# KiCad board 4servoboard-4x4.kicad_pcb (continued)
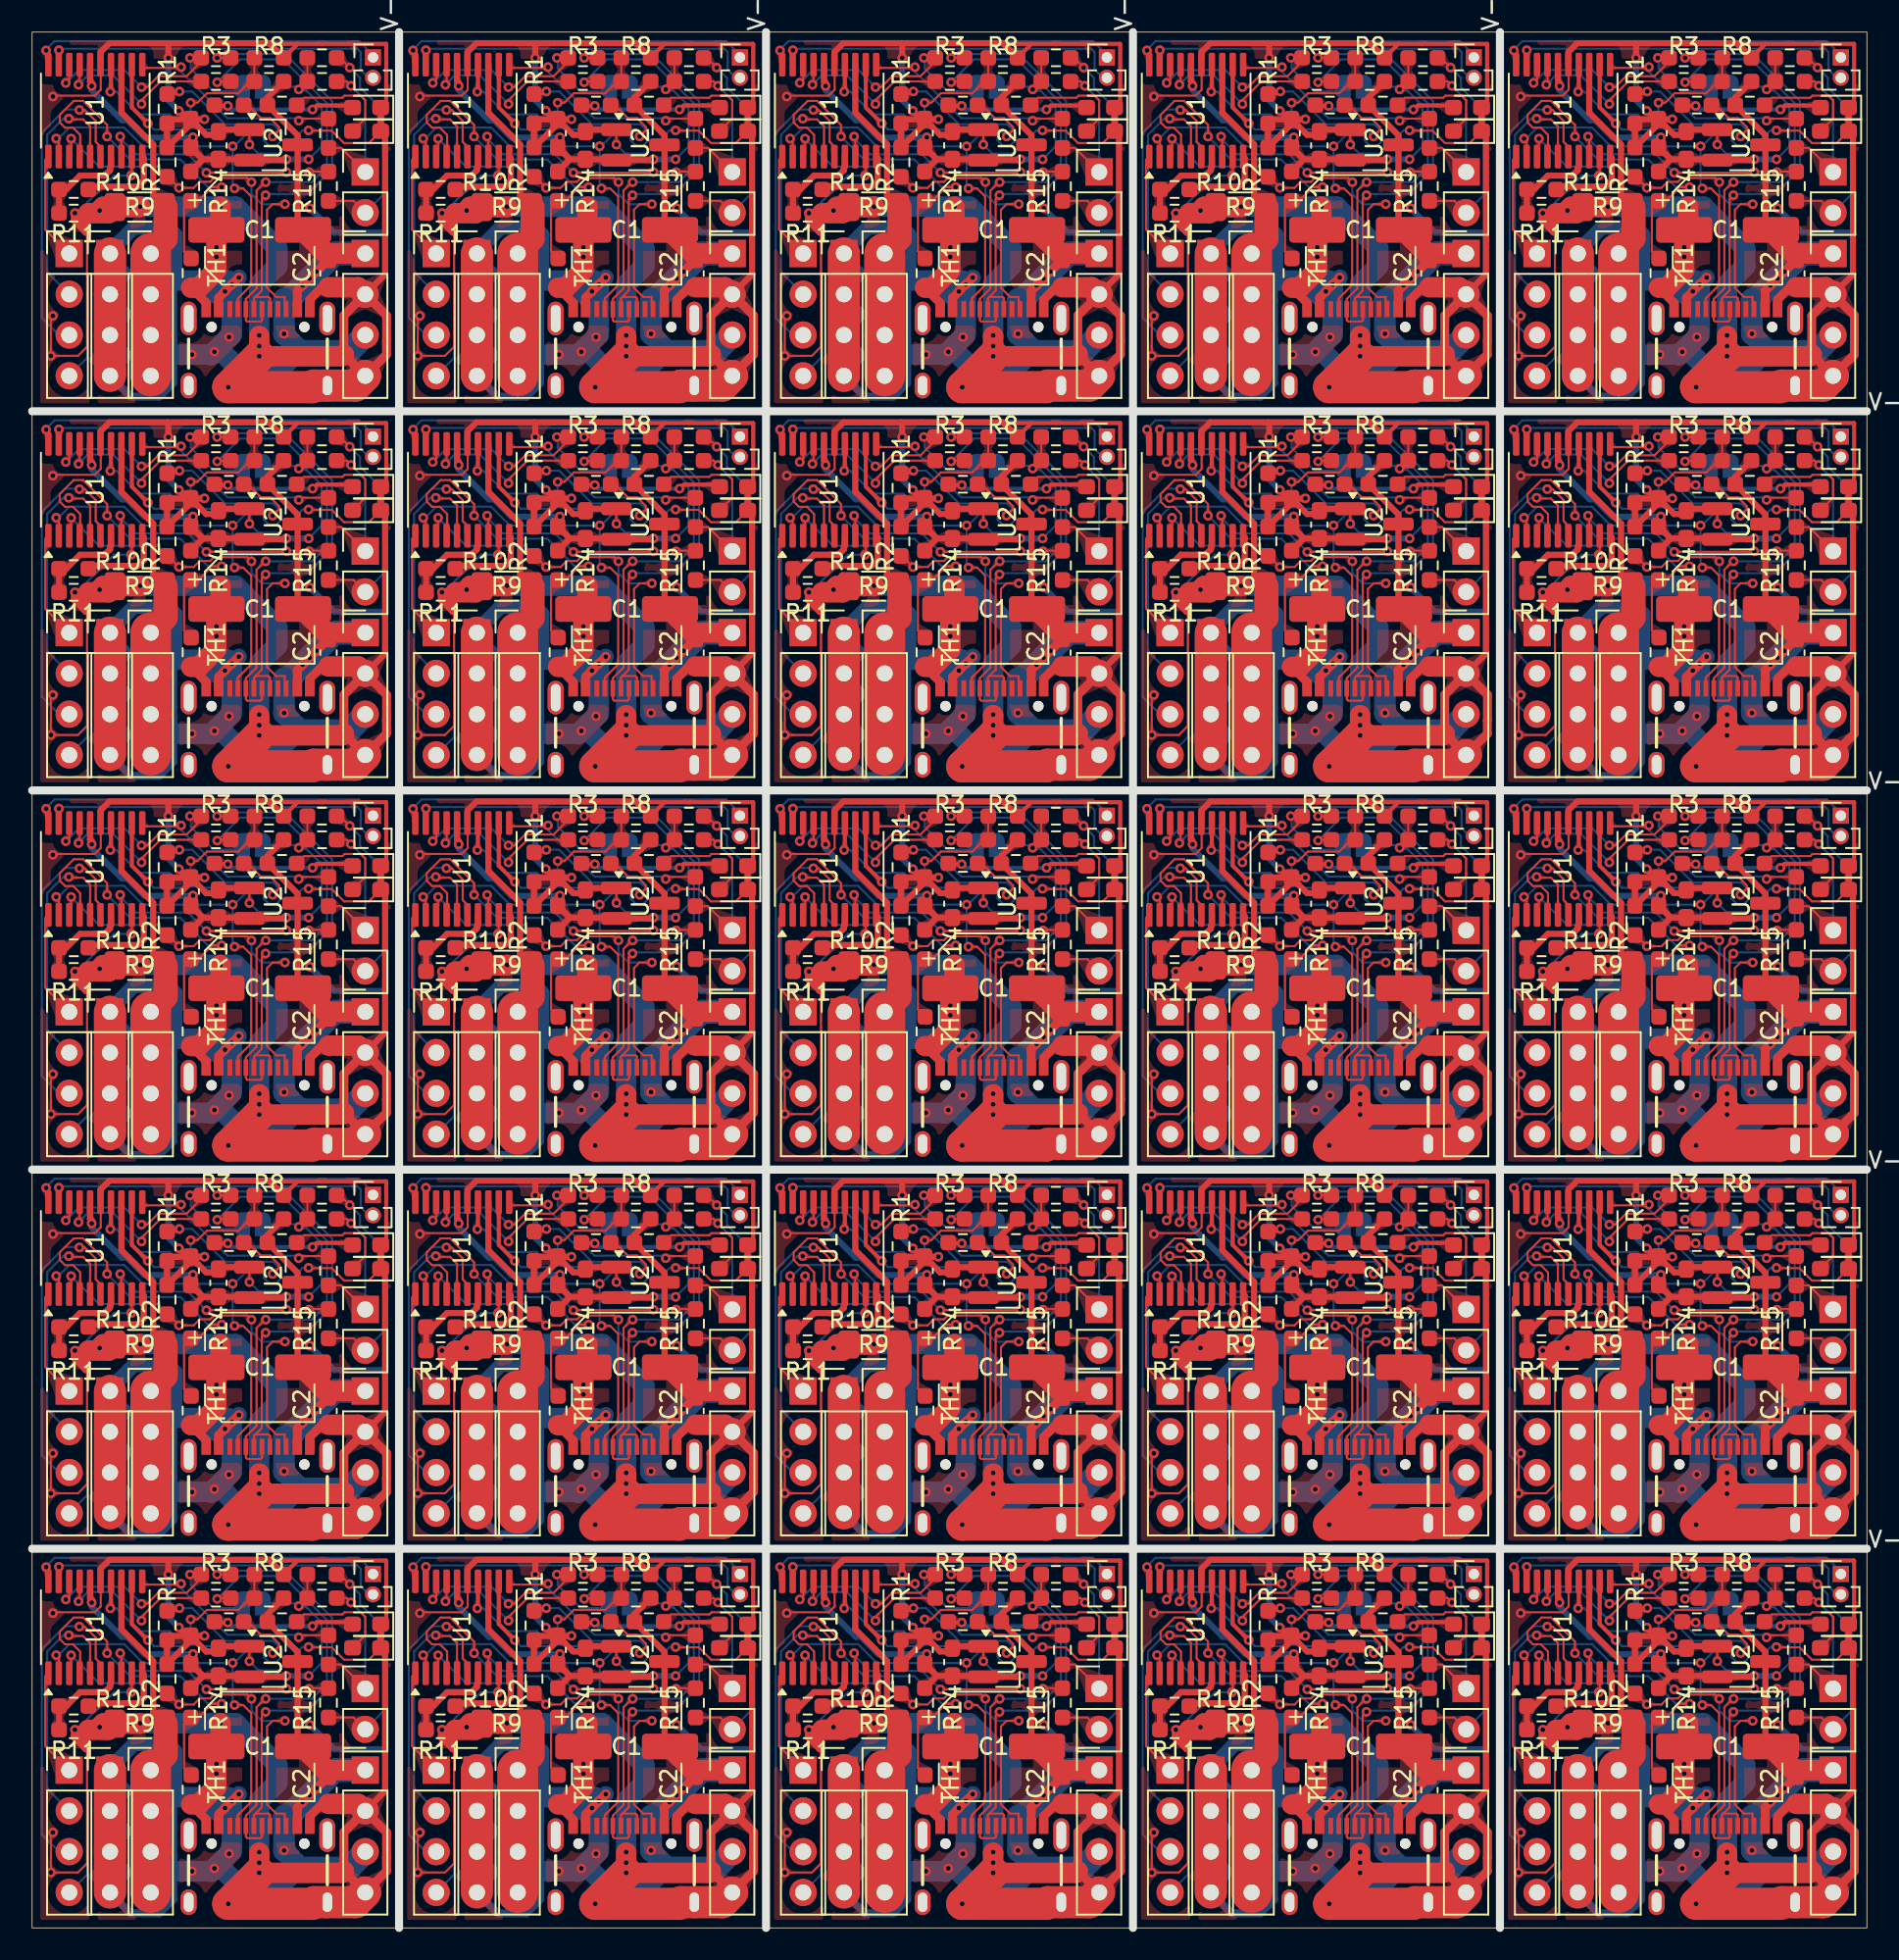
[diagram p0: board, top side]
## Routing (per net, layer and track width the routed paths; a pad name or vN(x,y) marks a point on that pad's centre or on a via; arc(x,y) is an arc through that point) (continued)
  Bottom w1.27: 34.4,98.38 34.48,98.38 35.54,97.33 35.54,97.31 36.4,96.45 36.42,96.45 36.75,96.11 37.31,96.11 39.46,98.27 39.46,98.38 38.61,99.24 ; 12.45,6.43 12.45,4.8 v1(12.27,4.62) v1(11.35,3.71) 11.15,3.51 11.13,3.51 11.1,3.53 v1(9.96,3.53) 8.83,3.53 8.8,3.51 ; 12.45,6.43 10.73,8.14 ; 12.45,6.43 v1(12.45,7.9) 12.2,8.14 10.73,8.14 ; 102.98,3.89 103.06,3.89 104.12,2.84 104.12,2.82 104.98,1.96 105,1.96 105.33,1.63 105.89,1.63 108.04,3.78 108.04,3.89 107.19,4.75 ; 61.47,30.57 61.47,30.57 ; 35.31,6.43 v1(35.31,7.9) 35.06,8.14 33.59,8.14 ; 35.31,6.43 33.59,8.14 ; 35.31,6.43 35.31,4.8 v1(35.13,4.62) v1(34.21,3.71) 34.01,3.51 33.99,3.51 33.96,3.53 v1(32.82,3.53) 31.69,3.53 31.66,3.51 ; 103.89,100.91 v1(103.89,102.39) 103.64,102.63 102.17,102.63 ; 103.89,100.91 103.89,99.29 v1(103.71,99.11) v1(102.79,98.2) 102.59,97.99 102.57,97.99 102.54,98.02 v1(101.4,98.02) 100.27,98.02 100.24,97.99 ; 103.89,100.91 102.17,102.63 ; 35.31,77.29 33.59,79.01 ; 35.31,77.29 v1(35.31,78.77) 35.06,79.01 33.59,79.01 ; 35.31,77.29 35.31,75.67 v1(35.13,75.49) v1(34.21,74.57) 34.01,74.37 33.99,74.37 33.96,74.4 v1(32.82,74.4) 31.69,74.4 31.66,74.37 ; 33.59,79.01 31.78,79.01 ; 79.31,31.77 80.78,31.77 v1(81.03,31.52) 81.03,30.05 ; 79.31,31.77 77.5,31.77 ; 79.31,31.77 81.03,30.05 ; 33.59,8.14 31.78,8.14 ; 80.12,98.38 80.2,98.38 81.26,97.33 81.26,97.31 82.12,96.45 82.14,96.45 82.47,96.11 83.03,96.11 85.18,98.27 85.18,98.38 84.33,99.24 ; 103.89,53.67 103.89,52.04 v1(103.71,51.87) v1(102.79,50.95) 102.59,50.75 102.57,50.75 102.54,50.77 v1(101.4,50.77) 100.27,50.77 100.24,50.75 ; 103.89,53.67 v1(103.89,55.14) 103.64,55.39 102.17,55.39 ; 103.89,53.67 102.17,55.39 ; 81.03,6.43 81.03,4.8 v1(80.85,4.62) v1(79.93,3.71) 79.73,3.51 79.71,3.51 79.68,3.53 v1(78.54,3.53) 77.41,3.53 77.38,3.51 ; 81.03,6.43 79.31,8.14 ; 81.03,6.43 v1(81.03,7.9) 80.78,8.14 79.31,8.14 ; 81.03,77.29 81.03,75.67 v1(80.85,75.49) v1(79.93,74.57) 79.73,74.37 79.71,74.37 79.68,74.4 v1(78.54,74.4) 77.41,74.4 77.38,74.37 ; 81.03,77.29 v1(81.03,78.77) 80.78,79.01 79.31,79.01 ; 81.03,77.29 79.31,79.01 ; 57.26,3.89 57.34,3.89 58.4,2.84 58.4,2.82 59.26,1.96 59.28,1.96 59.61,1.63 60.17,1.63 62.32,3.78 62.32,3.89 61.47,4.75 ; 10.73,8.14 8.92,8.14 ; 38.61,52 39.46,51.14 39.46,51.02 37.31,48.87 36.75,48.87 36.42,49.2 36.4,49.2 35.54,50.06 35.54,50.09 34.48,51.14 34.4,51.14 ; 103.89,77.29 102.17,79.01 ; 103.89,77.29 v1(103.89,78.77) 103.64,79.01 102.17,79.01 ; 103.89,77.29 103.89,75.67 v1(103.71,75.49) v1(102.79,74.57) 102.59,74.37 102.57,74.37 102.54,74.4 v1(101.4,74.4) 100.27,74.4 100.24,74.37 ; 102.17,79.01 100.36,79.01 ; 8.8,74.37 8.83,74.4 v1(9.96,74.4) 11.1,74.4 11.13,74.37 11.15,74.37 v1(11.35,74.57) v1(12.27,75.49) 12.45,75.67 12.45,77.29 ; 11.54,3.89 11.62,3.89 12.68,2.84 12.68,2.82 13.54,1.96 13.56,1.96 13.89,1.63 14.45,1.63 16.6,3.78 16.6,3.89 15.75,4.75 ; 79.31,79.01 77.5,79.01 ; 102.17,55.39 100.36,55.39 ; 84.33,4.75 85.18,3.89 85.18,3.78 83.03,1.63 82.47,1.63 82.14,1.96 82.12,1.96 81.26,2.82 81.26,2.84 80.2,3.89 80.12,3.89 ; 8.8,50.75 8.83,50.77 v1(9.96,50.77) 11.1,50.77 11.13,50.75 11.15,50.75 v1(11.35,50.95) v1(12.27,51.87) 12.45,52.04 12.45,53.67 ; 10.73,31.77 12.2,31.77 v1(12.45,31.52) 12.45,30.05 ; 10.73,31.77 8.92,31.77 ; 10.73,31.77 12.45,30.05 ; 81.03,30.05 81.03,28.42 v1(80.85,28.24) v1(79.93,27.33) 79.73,27.13 79.71,27.13 79.68,27.15 v1(78.54,27.15) 77.41,27.15 77.38,27.13 ; 56.45,55.39 54.64,55.39 ; 56.45,55.39 58.17,53.67 ; 56.45,55.39 57.92,55.39 v1(58.17,55.14) 58.17,53.67 ; 79.31,102.63 80.78,102.63 v1(81.03,102.39) 81.03,100.91 ; 79.31,102.63 77.5,102.63 ; 79.31,102.63 81.03,100.91 ; 100.24,3.51 100.27,3.53 v1(101.4,3.53) 102.54,3.53 102.57,3.51 102.59,3.51 v1(102.79,3.71) v1(103.71,4.62) 103.89,4.8 103.89,6.43 ; 15.75,101.44 15.75,101.43 ; 61.47,28.37 62.32,27.52 62.32,27.4 60.17,25.25 59.61,25.25 59.28,25.58 59.26,25.58 58.4,26.44 58.4,26.46 57.34,27.52 57.26,27.52 ; 58.17,6.43 56.45,8.14 ; 58.17,6.43 v1(58.17,7.9) 57.92,8.14 56.45,8.14 ; 58.17,6.43 58.17,4.8 v1(57.99,4.62) v1(57.07,3.71) 56.87,3.51 56.85,3.51 56.82,3.53 v1(55.68,3.53) 54.55,3.53 54.52,3.51 ; 56.45,8.14 54.64,8.14 ; 12.45,77.29 v1(12.45,78.77) 12.2,79.01 10.73,79.01 ; 12.45,77.29 10.73,79.01 ; 77.38,97.99 77.41,98.02 v1(78.54,98.02) 79.68,98.02 79.71,97.99 79.73,97.99 v1(79.93,98.2) v1(80.85,99.11) 81.03,99.29 81.03,100.91 ; 58.17,100.91 58.17,99.29 v1(57.99,99.11) v1(57.07,98.2) 56.87,97.99 56.85,97.99 56.82,98.02 v1(55.68,98.02) 54.55,98.02 54.52,97.99 ; 58.17,100.91 v1(58.17,102.39) 57.92,102.63 56.45,102.63 ; 58.17,100.91 56.45,102.63 ; 35.31,53.67 33.59,55.39 ; 35.31,53.67 35.31,52.04 v1(35.13,51.87) v1(34.21,50.95) 34.01,50.75 33.99,50.75 33.96,50.77 v1(32.82,50.77) 31.69,50.77 31.66,50.75 ; 35.31,53.67 v1(35.31,55.14) 35.06,55.39 33.59,55.39 ; 33.59,55.39 31.78,55.39 ; 58.17,30.05 56.45,31.77 ; 58.17,30.05 v1(58.17,31.52) 57.92,31.77 56.45,31.77 ; 58.17,30.05 58.17,28.42 v1(57.99,28.24) v1(57.07,27.33) 56.87,27.13 56.85,27.13 56.82,27.15 v1(55.68,27.15) 54.55,27.15 54.52,27.13 ; 56.45,31.77 54.64,31.77 ; 84.33,6.95 84.33,6.95 ; 80.12,51.14 80.2,51.14 81.26,50.09 81.26,50.06 82.12,49.2 82.14,49.2 82.47,48.87 83.03,48.87 85.18,51.02 85.18,51.14 84.33,52 ; 56.45,102.63 54.64,102.63 ; 34.4,27.52 34.48,27.52 35.54,26.46 35.54,26.44 36.4,25.58 36.42,25.58 36.75,25.25 37.31,25.25 39.46,27.4 39.46,27.52 38.61,28.37 ; 107.19,77.81 107.19,77.81 ; 102.17,102.63 100.36,102.63 ; 103.89,6.43 102.17,8.14 ; 103.89,6.43 v1(103.89,7.9) 103.64,8.14 102.17,8.14 ; 102.17,8.14 100.36,8.14 ; 56.45,79.01 54.64,79.01 ; 56.45,79.01 57.92,79.01 v1(58.17,78.77) 58.17,77.29 ; 56.45,79.01 58.17,77.29 ; 102.98,51.14 103.06,51.14 104.12,50.09 104.12,50.06 104.98,49.2 105,49.2 105.33,48.87 105.89,48.87 108.04,51.02 108.04,51.14 107.19,52 ; 57.26,98.38 57.34,98.38 58.4,97.33 58.4,97.31 59.26,96.45 59.28,96.45 59.61,96.11 60.17,96.11 62.32,98.27 62.32,98.38 61.47,99.24 ; 107.19,99.24 108.04,98.38 108.04,98.27 105.89,96.11 105.33,96.11 105,96.45 104.98,96.45 104.12,97.31 104.12,97.33 103.06,98.38 102.98,98.38 ; 10.73,102.63 12.2,102.63 v1(12.45,102.39) 12.45,100.91 ; 10.73,102.63 12.45,100.91 ; 10.73,102.63 8.92,102.63 ; 79.31,55.39 80.78,55.39 v1(81.03,55.14) 81.03,53.67 ; 79.31,55.39 81.03,53.67 ; 79.31,55.39 77.5,55.39 ; 79.31,8.14 77.5,8.14 ; 34.4,3.89 34.48,3.89 35.54,2.84 35.54,2.82 36.4,1.96 36.42,1.96 36.75,1.63 37.31,1.63 39.46,3.78 39.46,3.89 38.61,4.75 ; 12.45,100.91 12.45,99.29 v1(12.27,99.11) v1(11.35,98.2) 11.15,97.99 11.13,97.99 11.1,98.02 v1(9.96,98.02) 8.83,98.02 8.8,97.99 ; 77.38,50.75 77.41,50.77 v1(78.54,50.77) 79.68,50.77 79.71,50.75 79.73,50.75 v1(79.93,50.95) v1(80.85,51.87) 81.03,52.04 81.03,53.67 ; 84.33,75.62 85.18,74.76 85.18,74.64 83.03,72.49 82.47,72.49 82.14,72.82 82.12,72.82 81.26,73.69 81.26,73.71 80.2,74.76 80.12,74.76 ; 61.47,6.95 61.47,6.95 ; 102.17,31.77 100.36,31.77 ; 102.17,31.77 103.64,31.77 v1(103.89,31.52) 103.89,30.05 ; 102.17,31.77 103.89,30.05 ; 15.75,75.62 16.6,74.76 16.6,74.64 14.45,72.49 13.89,72.49 13.56,72.82 13.54,72.82 12.68,73.69 12.68,73.71 11.62,74.76 11.54,74.76 ; 107.19,30.57 107.19,30.57 ; 38.61,101.44 38.61,101.43 ; 15.75,6.95 15.75,6.95 ; 11.54,98.38 11.62,98.38 12.68,97.33 12.68,97.31 13.54,96.45 13.56,96.45 13.89,96.11 14.45,96.11 16.6,98.27 16.6,98.38 15.75,99.24 ; 61.47,77.81 61.47,77.81 ; 12.45,53.67 10.73,55.39 ; 12.45,53.67 v1(12.45,55.14) 12.2,55.39 10.73,55.39 ; 58.17,53.67 58.17,52.04 v1(57.99,51.87) v1(57.07,50.95) 56.87,50.75 56.85,50.75 56.82,50.77 v1(55.68,50.77) 54.55,50.77 54.52,50.75 ; 12.45,30.05 12.45,28.42 v1(12.27,28.24) v1(11.35,27.33) 11.15,27.13 11.13,27.13 11.1,27.15 v1(9.96,27.15) 8.83,27.15 8.8,27.13 ; 11.54,51.14 11.62,51.14 12.68,50.09 12.68,50.06 13.54,49.2 13.56,49.2 13.89,48.87 14.45,48.87 16.6,51.02 16.6,51.14 15.75,52 ; 57.26,74.76 57.34,74.76 58.4,73.71 58.4,73.69 59.26,72.82 59.28,72.82 59.61,72.49 60.17,72.49 62.32,74.64 62.32,74.76 61.47,75.62 ; 107.19,28.37 108.04,27.52 108.04,27.4 105.89,25.25 105.33,25.25 105,25.58 104.98,25.58 104.12,26.44 104.12,26.46 103.06,27.52 102.98,27.52 ; 34.4,74.76 34.48,74.76 35.54,73.71 35.54,73.69 36.4,72.82 36.42,72.82 36.75,72.49 37.31,72.49 39.46,74.64 39.46,74.76 38.61,75.62 ; 38.61,54.19 38.61,54.19 ; 38.61,77.81 38.61,77.81 ; 84.33,30.57 84.33,30.57 ; 10.73,79.01 8.92,79.01 ; 35.31,30.05 v1(35.31,31.52) 35.06,31.77 33.59,31.77 ; 35.31,30.05 35.31,28.42 v1(35.13,28.24) v1(34.21,27.33) 34.01,27.13 33.99,27.13 33.96,27.15 v1(32.82,27.15) 31.69,27.15 31.66,27.13 ; 35.31,30.05 33.59,31.77 ; 57.26,51.14 57.34,51.14 58.4,50.09 58.4,50.06 59.26,49.2 59.28,49.2 59.61,48.87 60.17,48.87 62.32,51.02 62.32,51.14 61.47,52 ; 84.33,101.44 84.33,101.43 ; 103.89,30.05 103.89,28.42 v1(103.71,28.24) v1(102.79,27.33) 102.59,27.13 102.57,27.13 102.54,27.15 v1(101.4,27.15) 100.27,27.15 100.24,27.13 ; 84.33,54.19 84.33,54.19 ; 84.33,28.37 85.18,27.52 85.18,27.4 83.03,25.25 82.47,25.25 82.14,25.58 82.12,25.58 81.26,26.44 81.26,26.46 80.2,27.52 80.12,27.52 ; 58.17,77.29 58.17,75.67 v1(57.99,75.49) v1(57.07,74.57) 56.87,74.37 56.85,74.37 56.82,74.4 v1(55.68,74.4) 54.55,74.4 54.52,74.37 ; 11.54,27.52 11.62,27.52 12.68,26.46 12.68,26.44 13.54,25.58 13.56,25.58 13.89,25.25 14.45,25.25 16.6,27.4 16.6,27.52 15.75,28.37 ; 10.73,55.39 8.92,55.39 ; 107.19,6.95 107.19,6.95 ; 107.19,54.19 107.19,54.19 ; 38.61,30.57 38.61,30.57 ; 107.19,101.44 107.19,101.43 ; 33.59,31.77 31.78,31.77 ; 31.66,97.99 31.69,98.02 v1(32.82,98.02) 33.96,98.02 33.99,97.99 34.01,97.99 v1(34.21,98.2) v1(35.13,99.11) 35.31,99.29 35.31,100.91 ; 33.59,102.63 35.06,102.63 v1(35.31,102.39) 35.31,100.91 ; 33.59,102.63 35.31,100.91 ; 33.59,102.63 31.78,102.63 ; 102.98,74.76 103.06,74.76 104.12,73.71 104.12,73.69 104.98,72.82 105,72.82 105.33,72.49 105.89,72.49 108.04,74.64 108.04,74.76 107.19,75.62 ; 61.47,101.44 61.47,101.43 ; 15.75,77.81 15.75,77.81 ; 61.47,54.19 61.47,54.19 ; 38.61,6.95 38.61,6.95 ; 84.33,77.81 84.33,77.81 ; 15.75,30.57 15.75,30.57 ; 15.75,54.19 15.75,54.19
  Bottom w1.35: 15.75,75.62 15.7,75.67 v1(15.7,75.69) 15.7,77.76 15.75,77.81 ; 15.75,6.95 15.7,6.9 v1(15.7,4.83) 15.7,4.8 15.75,4.75 ; 84.33,99.24 84.28,99.29 v1(84.28,99.31) 84.28,101.38 84.33,101.43 ; 107.19,101.43 107.14,101.38 v1(107.14,99.31) 107.14,99.29 107.19,99.24 ; 107.19,75.62 107.14,75.67 v1(107.14,75.69) 107.14,77.76 107.19,77.81 ; 38.61,52 38.56,52.05 v1(38.56,52.07) 38.56,54.14 38.61,54.19 ; 15.75,54.19 15.7,54.14 v1(15.7,52.07) 15.7,52.05 15.75,52 ; 38.61,30.57 38.56,30.52 v1(38.56,28.45) 38.56,28.42 38.61,28.37 ; 15.75,28.37 15.7,28.42 v1(15.7,28.45) 15.7,30.52 15.75,30.57 ; 15.75,101.43 15.7,101.38 v1(15.7,99.31) 15.7,99.29 15.75,99.24 ; 84.33,54.19 84.28,54.14 v1(84.28,52.07) 84.28,52.05 84.33,52 ; 84.33,77.81 84.28,77.76 v1(84.28,75.69) 84.28,75.67 84.33,75.62 ; 107.19,52 107.14,52.05 v1(107.14,52.07) 107.14,54.14 107.19,54.19 ; 107.19,4.75 107.14,4.8 v1(107.14,4.83) 107.14,6.9 107.19,6.95 ; 84.33,4.75 84.28,4.8 v1(84.28,4.83) 84.28,6.9 84.33,6.95 ; 84.33,28.37 84.28,28.42 v1(84.28,28.45) 84.28,30.52 84.33,30.57 ; 38.61,99.24 38.56,99.29 v1(38.56,99.31) 38.56,101.38 38.61,101.43 ; 107.19,30.57 107.14,30.52 v1(107.14,28.45) 107.14,28.42 107.19,28.37 ; 61.47,30.57 61.42,30.52 v1(61.42,28.45) 61.42,28.42 61.47,28.37 ; 38.61,4.75 38.56,4.8 v1(38.56,4.83) 38.56,6.9 38.61,6.95 ; 61.47,101.43 61.42,101.38 v1(61.42,99.31) 61.42,99.29 61.47,99.24 ; 61.47,77.81 61.42,77.76 v1(61.42,75.69) 61.42,75.67 61.47,75.62 ; 61.47,6.95 61.42,6.9 v1(61.42,4.83) 61.42,4.8 61.47,4.75 ; 38.61,77.81 38.56,77.76 v1(38.56,75.69) 38.56,75.67 38.61,75.62 ; 61.47,52 61.42,52.05 v1(61.42,52.07) 61.42,54.14 61.47,54.19
  Bottom w1.5: 39.68,3.68 42.54,3.68 J6#3.3 ; J6#19.3 42.54,50.93 39.68,50.93 ; J6#7.1 18.85,104.32 15.97,101.44 15.75,101.44 ; J6#13.3 65.41,3.68 62.54,3.68 ; 84.33,54.19 84.55,54.19 87.43,57.07 J6#12.1 ; J6#20.1 110.29,57.07 107.41,54.19 107.19,54.19 ; J6#8.3 65.41,27.31 62.54,27.31 ; J6#15.3 88.26,74.55 85.4,74.55 ; J6#10.1 18.85,9.83 15.97,6.95 15.75,6.95 ; J6#4.3 65.41,74.55 62.54,74.55 ; J6#2.3 88.26,27.31 85.4,27.31 ; J6#3.1 41.71,9.83 38.83,6.95 38.61,6.95 ; 107.19,77.81 107.41,77.81 110.29,80.7 J6#17.1 ; 84.33,77.81 84.55,77.81 87.43,80.7 J6#15.1 ; J6#2.1 87.43,33.45 84.55,30.57 84.33,30.57 ; J6#9.1 64.57,57.07 61.69,54.19 61.47,54.19 ; 61.47,77.81 61.69,77.81 64.57,80.7 J6#4.1 ; J6#10.3 19.69,3.68 16.82,3.68 ; J6.1 87.43,104.32 84.55,101.44 84.33,101.44 ; J6#23.1 18.85,80.7 15.97,77.81 15.75,77.81 ; J6#24.1 41.71,80.7 38.83,77.81 38.61,77.81 ; 108.26,3.68 111.12,3.68 J6#25.3 ; 85.4,3.68 88.26,3.68 J6#21.3 ; J6#25.1 110.29,9.83 107.41,6.95 107.19,6.95 ; J6#5.3 19.69,50.93 16.82,50.93 ; J6#14.3 65.41,98.17 62.54,98.17 ; 62.54,50.93 65.41,50.93 J6#9.3 ; 38.61,30.57 38.83,30.57 41.71,33.45 J6#22.1 ; J6#24.3 42.54,74.55 39.68,74.55 ; J6#7.3 19.69,98.17 16.82,98.17 ; 107.19,101.44 107.41,101.44 110.29,104.32 J6#11.1 ; J6#18.1 18.85,33.45 15.97,30.57 15.75,30.57 ; J6#18.3 19.69,27.31 16.82,27.31 ; J6#21.1 87.43,9.83 84.55,6.95 84.33,6.95 ; J6#12.3 88.26,50.93 85.4,50.93 ; J6#6.1 110.29,33.45 107.41,30.57 107.19,30.57 ; 61.47,6.95 61.69,6.95 64.57,9.83 J6#13.1 ; J6#14.1 64.57,104.32 61.69,101.44 61.47,101.44 ; J6#11.3 111.12,98.17 108.26,98.17 ; J6.3 88.26,98.17 85.4,98.17 ; J6#20.3 111.12,50.93 108.26,50.93 ; J6#5.1 18.85,57.07 15.97,54.19 15.75,54.19 ; 38.61,101.44 38.83,101.44 41.71,104.32 J6#16.1 ; J6#6.3 111.12,27.31 108.26,27.31 ; 108.26,74.55 111.12,74.55 J6#17.3 ; J6#22.3 42.54,27.31 39.68,27.31 ; 61.47,30.57 61.69,30.57 64.57,33.45 J6#8.1 ; J6#16.3 42.54,98.17 39.68,98.17 ; J6#23.3 19.69,74.55 16.82,74.55 ; 38.61,54.19 38.83,54.19 41.71,57.07 J6#19.1
  Bottom w2: J5#19.1 J5#19.2 J5#19.3 J5#19.4 ; J5#25.1 J5#25.2 J5#25.3 J5#25.4 ; J5#6.4 J5#6.3 J5#6.2 J5#6.1 ; J5#22.1 J5#22.2 J5#22.3 J5#22.4 ; J5#13.1 J5#13.2 J5#13.3 J5#13.4 ; J5#23.1 J5#23.2 J5#23.3 J5#23.4 ; J5#3.4 J5#3.3 J5#3.2 J5#3.1 ; J5#17.4 J5#17.3 J5#17.2 J5#17.1 ; J5#14.1 J5#14.2 J5#14.3 J5#14.4 ; J5#20.1 J5#20.2 J5#20.3 J5#20.4 ; J5#12.1 J5#12.2 J5#12.3 J5#12.4 ; J5#15.1 J5#15.2 J5#15.3 J5#15.4 ; J5#4.4 J5#4.3 J5#4.2 J5#4.1 ; J5#5.4 J5#5.3 J5#5.2 J5#5.1 ; J5#10.1 J5#10.2 J5#10.3 J5#10.4 ; J5#2.4 J5#2.3 J5#2.2 J5#2.1 ; J5#9.4 J5#9.3 J5#9.2 J5#9.1 ; J5#21.4 J5#21.3 J5#21.2 J5#21.1 ; J5#8.1 J5#8.2 J5#8.3 J5#8.4 ; J5.4 J5.3 J5.2 J5.1 ; J5#18.1 J5#18.2 J5#18.3 J5#18.4 ; J5#11.1 J5#11.2 J5#11.3 J5#11.4 ; J5#7.1 J5#7.2 J5#7.3 J5#7.4 ; J5#24.1 J5#24.2 J5#24.3 J5#24.4 ; J5#16.4 J5#16.3 J5#16.2 J5#16.1
VDD: length 770.3
  Top w0.127: v1(108.05,43.67) 108.1,43.67 108.59,44.16 R12#9.1 108.59,45.64 R13#4.1 ; R13#23.1 62.87,22.02 R12#15.1 62.87,20.54 62.38,20.05 v1(62.33,20.05) ; R13#18.1 62.87,45.64 R12#2.1 62.87,44.16 62.38,43.67 v1(62.33,43.67) ; R13#20.1 85.73,69.26 R12#22.1 85.73,67.78 85.24,67.29 v1(85.19,67.29) ; R13#3.1 85.73,92.88 R12#12.1 85.73,91.41 85.24,90.92 v1(85.19,90.92) ; v1(108.05,90.92) 108.1,90.92 108.59,91.41 R12#5.1 108.59,92.88 R13#8.1 ; v1(16.61,114.54) 16.66,114.54 17.15,115.03 R12#6.1 17.15,116.51 R13#22.1 ; v1(39.47,114.54) 39.52,114.54 40.01,115.03 R12#8.1 40.01,116.51 R13#11.1 ; v1(16.61,90.92) 16.66,90.92 17.15,91.41 R12#19.1 17.15,92.88 R13#14.1 ; R13#12.1 108.59,116.51 R12#18.1 108.59,115.03 108.1,114.54 v1(108.05,114.54) ; R13#17.1 40.01,92.88 R12#3.1 40.01,91.41 39.52,90.92 v1(39.47,90.92) ; v1(16.61,43.67) 16.66,43.67 17.15,44.16 R12#14.1 17.15,45.64 R13#25.1 ; R13#13.1 62.87,116.51 R12#21.1 62.87,115.03 62.38,114.54 v1(62.33,114.54) ; v1(85.19,114.54) 85.24,114.54 85.73,115.03 R12#11.1 85.73,116.51 R13#19.1 ; v1(108.05,20.05) 108.1,20.05 108.59,20.54 R12#17.1 108.59,22.02 R13.1 ; R13#16.1 62.87,69.26 R12#20.1 62.87,67.78 62.38,67.29 v1(62.33,67.29) ; R13#24.1 17.15,69.26 R12#24.1 17.15,67.78 16.66,67.29 v1(16.61,67.29) ; R13#7.1 17.15,22.02 R12#7.1 17.15,20.54 16.66,20.05 v1(16.61,20.05) ; v1(85.19,43.67) 85.24,43.67 85.73,44.16 R12#4.1 85.73,45.64 R13#6.1 ; R13#5.1 40.01,69.26 R12#10.1 40.01,67.78 39.52,67.29 v1(39.47,67.29) ; R13#10.1 85.73,22.02 R12#23.1 85.73,20.54 85.24,20.05 v1(85.19,20.05) ; v1(39.47,43.67) 39.52,43.67 40.01,44.16 R12.1 40.01,45.64 R13#9.1 ; R13#2.1 62.87,92.88 R12#25.1 62.87,91.41 62.38,90.92 v1(62.33,90.92) ; R13#21.1 40.01,22.02 R12#16.1 40.01,20.54 39.52,20.05 v1(39.47,20.05) ; v1(108.05,67.29) 108.1,67.29 108.59,67.78 R12#13.1 108.59,69.26 R13#15.1
  Top w0.381: 102.08,15.7 C4#9.1 101.46,16.6 v1(101.46,17.07) 101.46,16.32 102.08,15.7 ; 102.08,15.7 R14#18.1 ; 102.08,15.7 C3#23.1 104.93,15.7 U2#3.2 107.24,15.65 v1(107.29,15.7) ; v1(15.85,39.32) 15.8,39.27 U2#2.2 13.49,39.32 C3#6.1 10.64,39.32 ; 102.08,86.56 101.46,87.19 v1(101.46,87.94) 101.46,87.46 C4#18.1 102.08,86.56 ; 102.08,86.56 C3#12.1 104.93,86.56 U2#12.2 107.24,86.51 v1(107.29,86.56) ; 102.08,86.56 R14#7.1 ; 102.08,62.94 101.46,63.56 v1(101.46,64.31) 101.46,63.84 C4#15.1 102.08,62.94 ; 102.08,62.94 R14#16.1 ; 102.08,62.94 C3#11.1 104.93,62.94 U2#8.2 107.24,62.89 v1(107.29,62.94) ; v1(3.71,43.89) 3.71,44.07 3.61,44.17 U1#8.16 ; 10.64,39.32 C4#10.1 10.02,40.22 v1(10.02,40.69) 10.02,39.94 10.64,39.32 ; 10.64,39.32 R14#5.1 ; 10.64,62.94 C3#5.1 13.49,62.94 U2#9.2 15.8,62.89 v1(15.85,62.94) ; 10.64,62.94 R14#9.1 ; 10.64,62.94 10.02,63.56 v1(10.02,64.31) 10.02,63.84 C4#19.1 10.64,62.94 ; 79.22,62.94 C3#2.1 82.07,62.94 U2#13.2 84.38,62.89 v1(84.43,62.94) ; 79.22,62.94 R14#14.1 ; 79.22,62.94 78.6,63.56 v1(78.6,64.31) 78.6,63.84 C4#20.1 79.22,62.94 ; 10.64,15.7 C3#16.1 13.49,15.7 U2#23.2 15.8,15.65 v1(15.85,15.7) ; 10.64,15.7 C4#4.1 10.02,16.6 v1(10.02,17.07) 10.02,16.32 10.64,15.7 ; 10.64,15.7 R14#22.1 ; v1(84.43,39.32) 84.38,39.27 U2#11.2 82.07,39.32 C3#15.1 79.22,39.32 ; 33.5,15.7 R14#10.1 ; 33.5,15.7 32.88,16.32 v1(32.88,17.07) 32.88,16.6 C4#23.1 33.5,15.7 ; 33.5,15.7 C3#7.1 36.35,15.7 U2#6.2 38.66,15.65 v1(38.71,15.7) ; 79.22,86.56 C3#4.1 82.07,86.56 U2#4.2 84.38,86.51 v1(84.43,86.56) ; 79.22,86.56 R14#3.1 ; 79.22,86.56 C4#13.1 78.6,87.46 v1(78.6,87.94) 78.6,87.19 79.22,86.56 ; v1(49.43,43.89) 49.43,44.07 49.33,44.17 U1#22.16 ; v1(95.15,114.75) 95.15,114.94 95.05,115.04 U1#13.16 ; v1(38.71,62.94) 38.66,62.89 U2#5.2 36.35,62.94 C3#17.1 33.5,62.94 ; U1#9.16 49.33,20.55 49.43,20.45 v1(49.43,20.27) ; v1(38.71,86.56) 38.66,86.51 U2#19.2 36.35,86.56 C3#10.1 33.5,86.56 ; 56.36,110.19 R14#19.1 ; 56.36,110.19 55.74,110.81 v1(55.74,111.56) 55.74,111.09 C4#2.1 56.36,110.19 ; 56.36,110.19 C3#8.1 59.21,110.19 U2#17.2 61.52,110.13 v1(61.57,110.18) ; v1(72.29,91.13) 72.29,91.32 72.19,91.42 U1#18.16 ; U1#15.16 3.61,20.55 3.71,20.45 v1(3.71,20.27) ; U1#21.16 49.33,115.04 49.43,114.94 v1(49.43,114.75) ; 56.36,15.7 R14#8.1 ; 56.36,15.7 55.74,16.32 v1(55.74,17.07) 55.74,16.6 C4#6.1 56.36,15.7 ; 56.36,15.7 C3#25.1 59.21,15.7 U2#21.2 61.52,15.65 v1(61.57,15.7) ; v1(72.29,67.51) 72.29,67.7 72.19,67.79 U1#3.16 ; 10.64,110.19 10.02,110.81 v1(10.02,111.56) 10.02,111.09 C4#5.1 10.64,110.19 ; 10.64,110.19 R14#24.1 ; 10.64,110.19 C3#18.1 13.49,110.19 U2#15.2 15.8,110.13 v1(15.85,110.18) ; 56.36,62.94 55.74,63.56 v1(55.74,64.31) 55.74,63.84 C4#8.1 56.36,62.94 ; 56.36,62.94 R14#21.1 ; 56.36,62.94 C3.1 59.21,62.94 U2#18.2 61.52,62.89 v1(61.57,62.94) ; 102.08,110.19 C4.1 101.46,111.09 v1(101.46,111.56) 101.46,110.81 102.08,110.19 ; 102.08,110.19 C3#21.1 104.93,110.19 U2#20.2 107.24,110.13 v1(107.29,110.18) ; 102.08,110.19 R14#4.1 ; U1#10.16 49.33,91.42 49.43,91.32 v1(49.43,91.13) ; U1#24.16 26.47,115.04 26.57,114.94 v1(26.57,114.75) ; U1#5.16 95.05,91.42 95.15,91.32 v1(95.15,91.13) ; 79.22,15.7 R14#25.1 ; 79.22,15.7 C4#17.1 78.6,16.6 v1(78.6,17.07) 78.6,16.32 79.22,15.7 ; 79.22,15.7 C3#20.1 82.07,15.7 U2#25.2 84.38,15.65 v1(84.43,15.7) ; U1#20.16 3.61,115.04 3.71,114.94 v1(3.71,114.75) ; v1(26.57,91.13) 26.57,91.32 26.47,91.42 U1.16 ; 79.22,39.32 R14#6.1 ; 79.22,39.32 78.6,39.94 v1(78.6,40.69) 78.6,40.22 C4#21.1 79.22,39.32 ; U1#16.16 72.19,115.04 72.29,114.94 v1(72.29,114.75) ; v1(49.43,67.51) 49.43,67.7 49.33,67.79 U1#25.16 ; v1(38.71,39.32) 38.66,39.27 U2#14.2 36.35,39.32 C3#13.1 33.5,39.32 ; 79.22,110.19 R14#2.1 ; 79.22,110.19 C3#3.1 82.07,110.19 U2#16.2 84.38,110.13 v1(84.43,110.18) ; 79.22,110.19 78.6,110.81 v1(78.6,111.56) 78.6,111.09 C4#25.1 79.22,110.19 ; v1(95.15,43.89) 95.15,44.07 95.05,44.17 U1#12.16 ; 33.5,62.94 R14#20.1 ; 33.5,62.94 C4#14.1 32.88,63.84 v1(32.88,64.31) 32.88,63.56 33.5,62.94 ; v1(26.57,20.27) 26.57,20.45 26.47,20.55 U1#19.16 ; 33.5,86.56 R14.1 ; 33.5,86.56 32.88,87.19 v1(32.88,87.94) 32.88,87.46 C4#24.1 33.5,86.56 ; 33.5,110.19 32.88,110.81 v1(32.88,111.56) 32.88,111.09 C4#11.1 33.5,110.19 ; 33.5,110.19 C3#22.1 36.35,110.19 U2#7.2 38.66,110.13 v1(38.71,110.18) ; 33.5,110.19 R14#11.1 ; v1(3.71,67.51) 3.71,67.7 3.61,67.79 U1#6.16 ; v1(26.57,43.89) 26.57,44.07 26.47,44.17 U1#23.16 ; 33.5,39.32 32.88,39.94 v1(32.88,40.69) 32.88,40.22 C4#7.1 33.5,39.32 ; 33.5,39.32 R14#13.1 ; U1#14.16 26.47,67.79 26.57,67.7 v1(26.57,67.51) ; 56.36,39.32 C3#19.1 59.21,39.32 U2#24.2 61.52,39.27 v1(61.57,39.32) ; 56.36,39.32 R14#12.1 ; 56.36,39.32 55.74,39.94 v1(55.74,40.69) 55.74,40.22 C4#12.1 56.36,39.32 ; 102.08,39.32 101.46,39.94 v1(101.46,40.69) 101.46,40.22 C4#3.1 102.08,39.32 ; 102.08,39.32 C3#24.1 104.93,39.32 U2#22.2 107.24,39.27 v1(107.29,39.32) ; 102.08,39.32 R14#15.1 ; 56.36,86.56 C4#16.1 55.74,87.46 v1(55.74,87.94) 55.74,87.19 56.36,86.56 ; 56.36,86.56 C3#9.1 59.21,86.56 U2#10.2 61.52,86.51 v1(61.57,86.56) ; 56.36,86.56 R14#23.1 ; U1#4.16 95.05,20.55 95.15,20.45 v1(95.15,20.27) ; 10.64,86.56 R14#17.1 ; 10.64,86.56 C3#14.1 13.49,86.56 U2.2 15.8,86.51 v1(15.85,86.56) ; 10.64,86.56 10.02,87.19 v1(10.02,87.94) 10.02,87.46 C4#22.1 10.64,86.56 ; U1#2.16 72.19,20.55 72.29,20.45 v1(72.29,20.27) ; U1#17.16 72.19,44.17 72.29,44.07 v1(72.29,43.89) ; U1#7.16 3.61,91.42 3.71,91.32 v1(3.71,91.13) ; v1(95.15,67.51) 95.15,67.7 95.05,67.79 U1#11.16
  Bottom w0.127: 62.82,19.97 62.57,20.22 JP1#23.2 ; 62.82,19.97 63.75,19.03 63.75,16.5 v1(62.95,15.7) ; 62.82,19.97 62.5,19.97 62.42,20.05 v1(62.33,20.05) ; v1(85.19,90.92) 85.28,90.92 85.36,90.83 85.68,90.83 ; 17.1,90.83 16.85,91.08 JP1#8.2 ; 17.1,90.83 16.78,90.83 16.7,90.92 v1(16.61,90.92) ; 17.1,90.83 18.03,89.9 18.03,87.37 v1(17.23,86.56) ; 17.1,19.97 18.03,19.03 18.03,16.5 v1(17.23,15.7) ; 17.1,19.97 16.85,20.22 JP1#25.2 ; 17.1,19.97 16.78,19.97 16.7,20.05 v1(16.61,20.05) ; v1(108.67,86.56) 109.47,87.37 109.47,89.9 108.54,90.83 ; 62.82,114.46 62.57,114.71 JP1#5.2 ; 62.82,114.46 62.5,114.46 62.42,114.54 v1(62.33,114.54) ; 62.82,114.46 63.75,113.52 63.75,110.99 v1(62.95,110.18) ; 108.54,67.21 109.47,66.28 109.47,63.74 v1(108.67,62.94) ; 108.54,67.21 108.22,67.21 108.14,67.29 v1(108.05,67.29) ; 108.54,67.21 108.29,67.46 JP1#17.2 ; v1(62.95,86.56) 63.75,87.37 63.75,89.9 62.82,90.83 ; 39.96,67.21 40.89,66.28 40.89,63.74 v1(40.09,62.94) ; 39.96,67.21 39.71,67.46 JP1#12.2 ; 39.96,67.21 39.64,67.21 39.56,67.29 v1(39.47,67.29) ; v1(108.05,43.67) 108.14,43.67 108.22,43.59 108.54,43.59 ; 85.68,43.59 85.36,43.59 85.28,43.67 v1(85.19,43.67) ; 85.68,43.59 86.61,42.66 86.61,40.12 v1(85.81,39.32) ; 85.68,43.59 85.43,43.84 JP1#22.2 ; v1(62.33,67.29) 62.42,67.29 62.5,67.21 62.82,67.21 ; v1(40.09,39.32) 40.89,40.12 40.89,42.66 39.96,43.59 ; 85.68,67.21 85.36,67.21 85.28,67.29 v1(85.19,67.29) ; 85.68,67.21 85.43,67.46 JP1#2.2 ; 85.68,67.21 86.61,66.28 86.61,63.74 v1(85.81,62.94) ; 17.1,114.46 16.78,114.46 16.7,114.54 v1(16.61,114.54) ; 17.1,114.46 18.03,113.52 18.03,110.99 v1(17.23,110.18) ; 17.1,114.46 16.85,114.71 JP1#7.2 ; v1(85.81,110.18) 86.61,110.99 86.61,113.52 85.68,114.46 ; 62.82,43.59 63.75,42.66 63.75,40.12 v1(62.95,39.32) ; 62.82,43.59 62.57,43.84 JP1#19.2 ; 62.82,43.59 62.5,43.59 62.42,43.67 v1(62.33,43.67) ; JP1#10.2 108.29,114.71 108.54,114.46 ; 108.54,90.83 108.29,91.08 JP1#18.2 ; 108.54,90.83 108.22,90.83 108.14,90.92 v1(108.05,90.92) ; v1(40.09,110.18) 40.89,110.99 40.89,113.52 39.96,114.46 ; v1(108.67,39.32) 109.47,40.12 109.47,42.66 108.54,43.59 ; 39.96,43.59 39.71,43.84 JP1#21.2 ; 39.96,43.59 39.64,43.59 39.56,43.67 v1(39.47,43.67) ; v1(16.61,43.67) 16.7,43.67 16.78,43.59 17.1,43.59 ; 39.96,19.97 40.89,19.03 40.89,16.5 v1(40.09,15.7) ; 39.96,19.97 39.71,20.22 JP1#11.2 ; 39.96,19.97 39.64,19.97 39.56,20.05 v1(39.47,20.05) ; JP1.2 85.43,20.22 85.68,19.97 ; 108.54,114.46 108.22,114.46 108.14,114.54 v1(108.05,114.54) ; 108.54,114.46 109.47,113.52 109.47,110.99 v1(108.67,110.18) ; 85.68,114.46 85.43,114.71 JP1#15.2 ; 85.68,114.46 85.36,114.46 85.28,114.54 v1(85.19,114.54) ; JP1#6.2 62.57,91.08 62.82,90.83 ; 85.68,90.83 85.43,91.08 JP1#4.2 ; 85.68,90.83 86.61,89.9 86.61,87.37 v1(85.81,86.56) ; 85.68,19.97 86.61,19.03 86.61,16.5 v1(85.81,15.7) ; 85.68,19.97 85.36,19.97 85.28,20.05 v1(85.19,20.05) ; 62.82,90.83 62.5,90.83 62.42,90.92 v1(62.33,90.92) ; JP1#24.2 39.71,91.08 39.96,90.83 ; 62.82,67.21 63.75,66.28 63.75,63.74 v1(62.95,62.94) ; 62.82,67.21 62.57,67.46 JP1#20.2 ; 108.54,43.59 108.29,43.84 JP1#14.2 ; JP1#9.2 108.29,20.22 108.54,19.97 ; 17.1,67.21 16.85,67.46 JP1#13.2 ; 17.1,67.21 18.03,66.28 18.03,63.74 v1(17.23,62.94) ; 17.1,67.21 16.78,67.21 16.7,67.29 v1(16.61,67.29) ; v1(108.05,20.05) 108.14,20.05 108.22,19.97 108.54,19.97 ; 39.96,114.46 39.71,114.71 JP1#3.2 ; 39.96,114.46 39.64,114.46 39.56,114.54 v1(39.47,114.54) ; 17.1,43.59 16.85,43.84 JP1#16.2 ; 17.1,43.59 18.03,42.66 18.03,40.12 v1(17.23,39.32) ; 108.54,19.97 109.47,19.03 109.47,16.5 v1(108.67,15.7) ; v1(39.47,90.92) 39.56,90.92 39.64,90.83 39.96,90.83 ; v1(40.09,86.56) 40.89,87.37 40.89,89.9 39.96,90.83
  Bottom w0.381: v1(61.57,39.32) v1(62.95,39.32) ; v1(107.29,86.56) v1(108.67,86.56) ; v1(78.6,87.94) 78.58,87.91 75.59,87.91 74.5,89 74.17,89 72.28,90.89 72.28,91.12 v1(72.29,91.13) ; v1(55.74,17.07) 55.72,17.05 52.73,17.05 51.64,18.13 51.31,18.13 49.42,20.02 49.42,20.26 v1(49.43,20.27) ; v1(55.74,64.31) 55.72,64.29 52.73,64.29 51.64,65.38 51.31,65.38 49.42,67.27 49.42,67.5 v1(49.43,67.51) ; v1(26.57,20.27) 26.56,20.26 26.56,20.02 28.45,18.13 28.78,18.13 29.87,17.05 32.86,17.05 v1(32.88,17.07) ; v1(101.46,40.69) 101.44,40.67 98.45,40.67 97.36,41.76 97.03,41.76 95.14,43.64 95.14,43.88 v1(95.15,43.89) ; v1(61.57,62.94) v1(62.95,62.94) ; v1(95.15,91.13) 95.14,91.12 95.14,90.89 97.03,89 97.36,89 98.45,87.91 101.44,87.91 v1(101.46,87.94) ; v1(32.88,40.69) 32.86,40.67 29.87,40.67 28.78,41.76 28.45,41.76 26.56,43.64 26.56,43.88 v1(26.57,43.89) ; v1(32.88,64.31) 32.86,64.29 29.87,64.29 28.78,65.38 28.45,65.38 26.56,67.27 26.56,67.5 v1(26.57,67.51) ; v1(49.43,114.75) 49.42,114.74 49.42,114.51 51.31,112.62 51.64,112.62 52.73,111.54 55.72,111.54 v1(55.74,111.56) ; v1(38.71,62.94) v1(40.09,62.94) ; v1(61.57,86.56) v1(62.95,86.56) ; v1(15.85,86.56) v1(17.23,86.56) ; v1(32.88,111.56) 32.86,111.54 29.87,111.54 28.78,112.62 28.45,112.62 26.56,114.51 26.56,114.74 v1(26.57,114.75) ; v1(72.29,20.27) 72.28,20.26 72.28,20.02 74.17,18.13 74.5,18.13 75.59,17.05 78.58,17.05 v1(78.6,17.07) ; v1(101.46,64.31) 101.44,64.29 98.45,64.29 97.36,65.38 97.03,65.38 95.14,67.27 95.14,67.5 v1(95.15,67.51) ; v1(107.29,39.32) v1(108.67,39.32) ; v1(78.6,64.31) 78.58,64.29 75.59,64.29 74.5,65.38 74.17,65.38 72.28,67.27 72.28,67.5 v1(72.29,67.51) ; v1(49.43,43.89) 49.42,43.88 49.42,43.64 51.31,41.76 51.64,41.76 52.73,40.67 55.72,40.67 v1(55.74,40.69) ; v1(38.71,110.18) v1(40.09,110.18) ; v1(10.02,17.07) 10,17.05 7.01,17.05 5.92,18.13 5.59,18.13 3.7,20.02 3.7,20.26 v1(3.71,20.27) ; v1(3.71,114.75) 3.7,114.74 3.7,114.51 5.59,112.62 5.92,112.62 7.01,111.54 10,111.54 v1(10.02,111.56) ; v1(10.02,64.31) 10,64.29 7.01,64.29 5.92,65.38 5.59,65.38 3.7,67.27 3.7,67.5 v1(3.71,67.51) ; v1(10.02,87.94) 10,87.91 7.01,87.91 5.92,89 5.59,89 3.7,90.89 3.7,91.12 v1(3.71,91.13) ; v1(49.43,91.13) 49.42,91.12 49.42,90.89 51.31,89 51.64,89 52.73,87.91 55.72,87.91 v1(55.74,87.94) ; v1(95.15,20.27) 95.14,20.26 95.14,20.02 97.03,18.13 97.36,18.13 98.45,17.05 101.44,17.05 v1(101.46,17.07) ; v1(78.6,111.56) 78.58,111.54 75.59,111.54 74.5,112.62 74.17,112.62 72.28,114.51 72.28,114.74 v1(72.29,114.75) ; v1(38.71,15.7) v1(40.09,15.7) ; v1(84.43,110.18) v1(85.81,110.18) ; v1(61.57,110.18) v1(62.95,110.18) ; v1(32.88,87.94) 32.86,87.91 29.87,87.91 28.78,89 28.45,89 26.56,90.89 26.56,91.12 v1(26.57,91.13) ; v1(101.46,111.56) 101.44,111.54 98.45,111.54 97.36,112.62 97.03,112.62 95.14,114.51 95.14,114.74 v1(95.15,114.75) ; v1(38.71,86.56) v1(40.09,86.56) ; v1(84.43,39.32) v1(85.81,39.32) ; v1(107.29,62.94) v1(108.67,62.94) ; v1(107.29,15.7) v1(108.67,15.7) ; v1(15.85,15.7) v1(17.23,15.7) ; v1(84.43,62.94) v1(85.81,62.94) ; v1(15.85,39.32) v1(17.23,39.32) ; v1(78.6,40.69) 78.58,40.67 75.59,40.67 74.5,41.76 74.17,41.76 72.28,43.64 72.28,43.88 v1(72.29,43.89) ; v1(84.43,86.56) v1(85.81,86.56) ; v1(10.02,40.69) 10,40.67 7.01,40.67 5.92,41.76 5.59,41.76 3.7,43.64 3.7,43.88 v1(3.71,43.89) ; v1(84.43,15.7) v1(85.81,15.7) ; v1(38.71,39.32) v1(40.09,39.32) ; v1(15.85,110.18) v1(17.23,110.18) ; v1(61.57,15.7) v1(62.95,15.7) ; v1(107.29,110.18) v1(108.67,110.18) ; v1(15.85,62.94) v1(17.23,62.94)
